# Altium PCB ToucanEyePCB.PcbDoc (part 3 of 5) (continued)
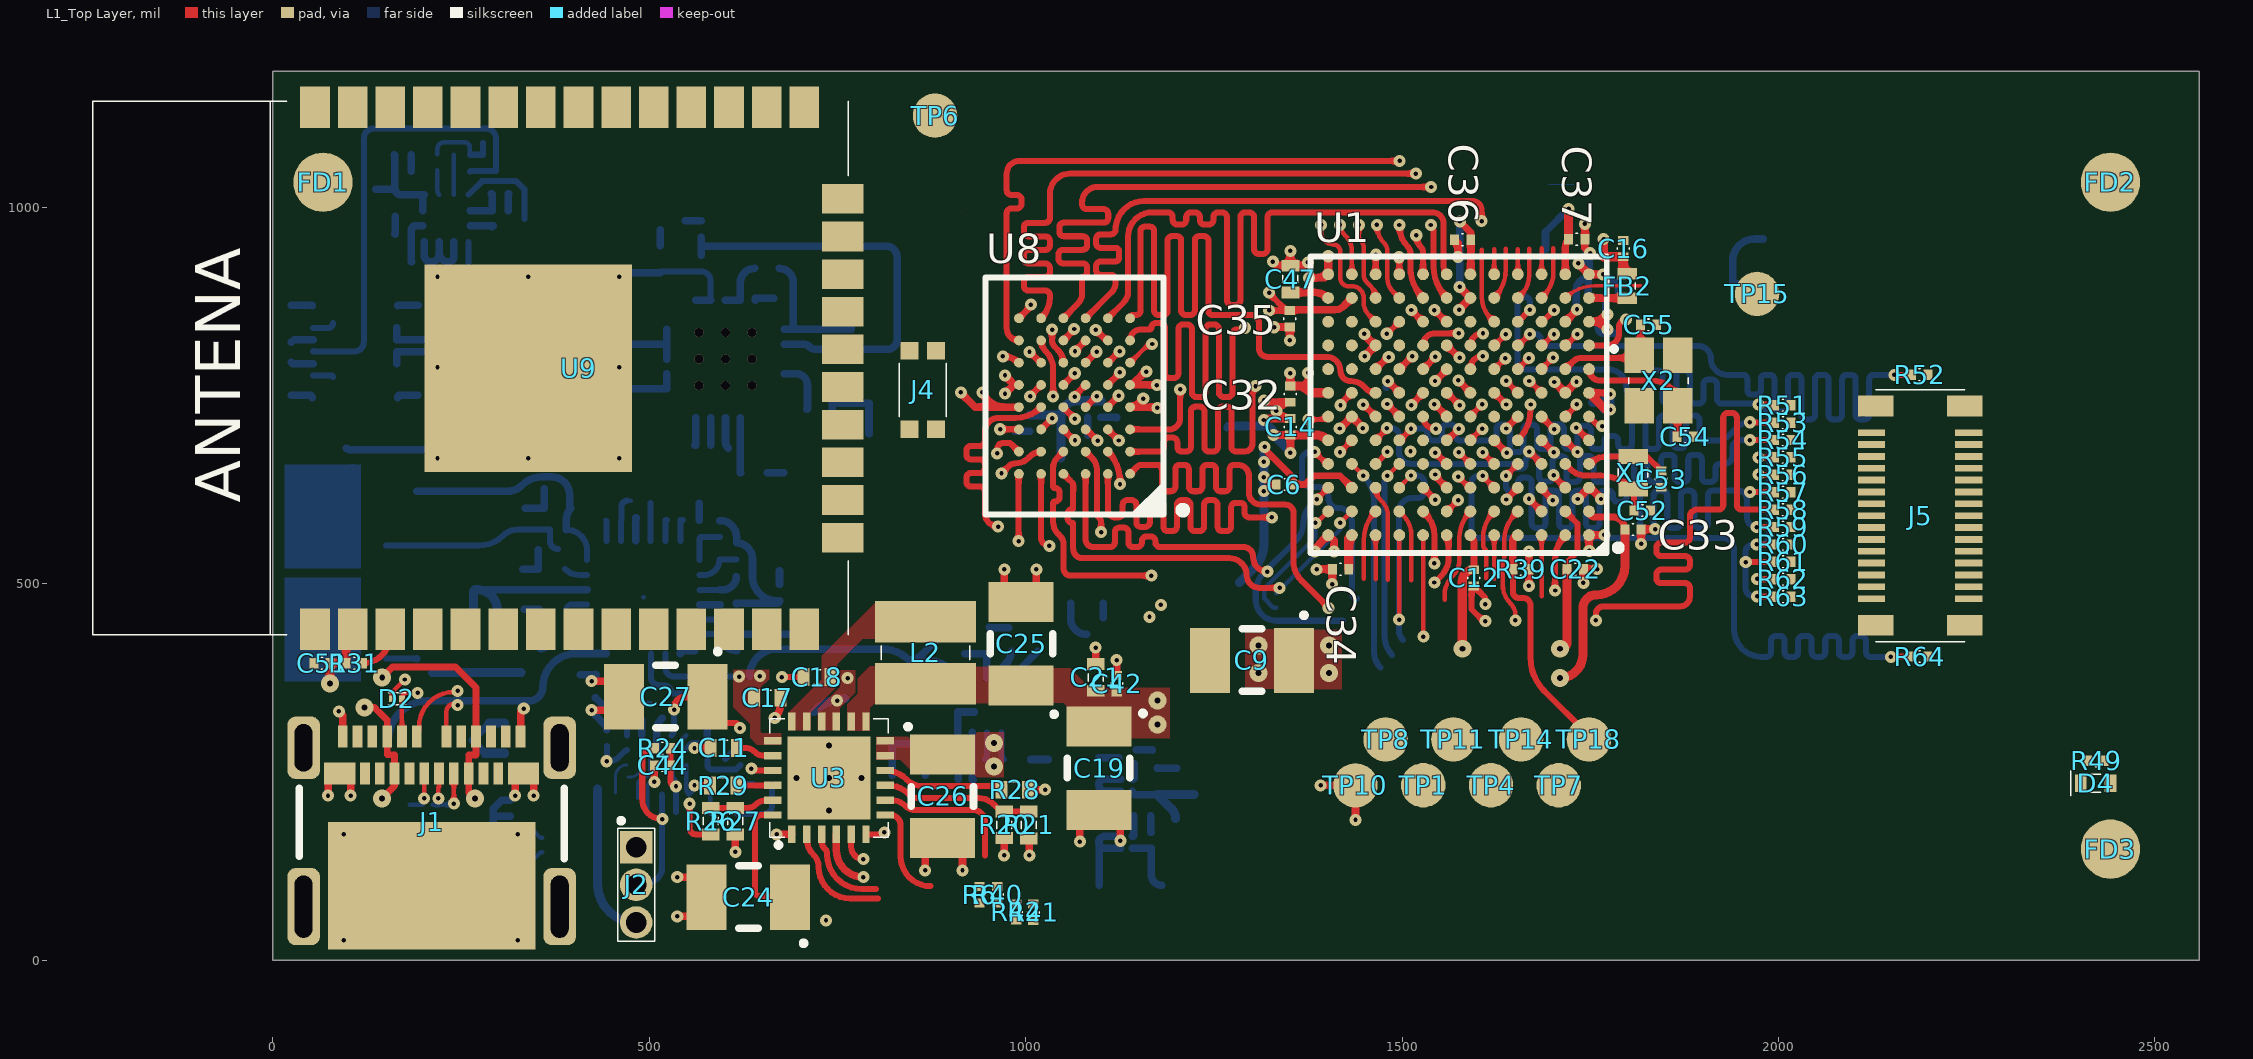
[diagram p0: L1_Top Layer view]
## Nets (pads, with @x,y where several pads share a name; then routed paths per layer and width w, separated by ;. In a path a pad name is that pad's centre, name@x,y a point inside that pad or via, vN(x,y) a via of type N, cw(c..) or ccw(c..) an arc to the next point about the centre after c; other vN are vias at no path point) (continued)
LDO_BATMAN: C24.1 R20.2 U3.24 | length 530.8
  L1_Top Layer w8: U3.24@664,192.97 649.27,192.97 ccw(c649.27,184.1) 640.4,184.1 640.4,91.6 ccw(c646.8,91.6) 646.8,85.2 685.81,85.2 C24.1@685.81,49.1
  L1_Top Layer w10: v4(971.5,139.4) R20.2@971.5,162.28
  L3_Signa1 w10: v4(734.9,52.9) 734.9,89.3 cw(c761.1,89.3) 761.1,115.5 947.6,115.5 ccw(c947.6,139.4) v4(971.5,139.4)
LED: D4.2 U1.H5 | length 20.8
  L1_Top Layer w6: U1.H5@1622.39,785.24 1622.69,785.24 1637,799.55 v3(1637.3,799.55)
LIS_INT: R44.2 R66.2 U1.D6 | length 713.7
  L1_Top Layer w6: v3(1575.4,674.75) 1575,674.35 cw(c1575,672.43) 1576.36,673.79 U1.D6@1590.89,659.25
  L4_PWR/Signal2 w8: v6(279.1,1085.9) 868.5,1085.9
  L6_Bottom Layer w6: R44.2@218.8,1070.83 218.8,1077.9 cw(c227.5,1077.9) 227.5,1086.6 254.6,1086.6 cw(c254.6,1079.3) 261.9,1079.3 261.9,1070 R66.2@262.33,1070
  L6_Bottom Layer w8: R66.2@262.33,1070 279.1,1070 v6(279.1,1085.9)
MANBAT_INT: R43.1 U1.F2 U5.A2 | length 75
  L1_Top Layer w6: U1.F2@1716.88,722.25 1731.8,737.17 1731.8,738.25 v3(1732,738.45)
  L6_Bottom Layer w8: R43.1@443.7,284.5 443.7,264.6 v3(443.5,264.4) 447.49,264.4 ccw(c447.49,280.11) 458.6,269 467.19,277.59 cw(c470.63,274.15) U5.A2@470.63,279.02
MIC_CKOUT: U1.E11 U10.3 | length 22.4
  L1_Top Layer w6: v3(1417.6,674.94) U1.E11@1433.41,690.75
MIC_DATIN: U1.J5 U10.4 | length 22.2
  L1_Top Layer w6: U1.J5@1622.39,816.73 1622.88,816.73 1638,831.85 v3(1638,831.55)
MIC_LR: R36.1 U1.H3 U10.2 | length 21.5
  L1_Top Layer w6: U1.H3@1685.38,785.24 v3(1700.6,800.45)
NetC1_2: C1.2 Q1.1 Q1.2 Q1.3 Q2.1 Q2.2 Q2.3 R5.2 U2.24 | length 326.7
  L6_Bottom Layer w8: R5.2@390.03,571.9 cw(c390.03,544.43) 417.5,544.43 U2.24@417.5,531.51
  L6_Bottom Layer w10: v9(191.2,623) 311.69,623 ccw(c311.69,650.31) 331,631 cw(c358,604) 358,642.18 370.32,642.18 cw(c370.32,618.1) 394.4,618.1 394.4,601.62 ccw(c395.82,601.62) C1.2@395.82,600.2 ccw(c409.79,586.22) 390.03,586.22 R5.2@390.03,571.9
  other v9: 191.2,431.8 191.2,473.2 191.2,581.3
NetC2_2: C2.2 U2.23 | length 31.5
  L6_Bottom Layer w8: C2.2@388.12,519.7 ccw(c407.12,538.71) 407.12,511.83 U2.23@417.5,511.83
NetC3_2: C3.2 U2.21 | length 31.8
  L6_Bottom Layer w6: C3.2@389.32,466.1 cw(c395.67,466.1) C3.2@395.67,472.46
  L6_Bottom Layer w8: C3.2@395.67,472.46 U2.21@417.5,472.46
NetC4_2: C4.2 C58.1 R38.2 U11.16 U11.17 | length 194.9
  L6_Bottom Layer w8: C4.2@514.9,913.38 cw(c516.29,913.38) 516.29,914.77 R38.2@569,914.77 cw(c569,902.07) 581.7,902.07 U11.17@581.7,876.46
  L6_Bottom Layer w10: C58.1@461.81,891.7 461.81,913.38 C4.2@514.9,913.38 ; U11.16@562.01,876.46 U11.17@581.7,876.46
NetC10_2: C10.2 U4.9 | length 36.8
  L6_Bottom Layer w8: U4.9@968.24,302.7 968.24,273.94 ccw(c978.47,273.94) C10.2@971.23,266.7
NetC11_1: C11.1 U3.20 | length 50
  L1_Top Layer w8: C11.1@616.82,282.1 627.26,282.1 cw(c627.26,263.66) 640.3,276.7 ccw(c652.33,288.73) 652.33,271.72 U3.20@664,271.71
NetC18_1: C18.1 U3.21 | length 191.7
  L1_Top Layer w8: v4(635.8,254.7) ccw(c642.25,261.15) 642.25,252.03 U3.21@664,252.03 ; v4(676.3,376.2) C18.1@705.08,376.2
  L3_Signa1 w8: v4(635.8,254.7) 635.8,294.28 cw(c735.8,294.28) 665.09,364.99 v4(676.3,376.2)
NetC18_2: C18.2 L2.1 U3.17 U3.18
NetC28_2: C28.2 R22.2 R23.2 U5.E3 | length 113.2
  L6_Bottom Layer w6: U5.E3@549.37,259.33 549.37,228.18 ccw(c560.8,228.18) R23.2@552.72,220.1 566.02,233.4 C28.2@581.38,233.4 R22.2@581.38,194.5
NetC44_2: C44.2 R24.2 U5.D3 | length 153.3
  L1_Top Layer w8: R24.2@528.53,281.8 C44.2@528.53,258.8 528.53,238.17 ccw(c535.6,238.17) v5(535.6,231.1)
  L4_PWR/Signal2 w8: v6(535.6,196.7) v5(535.6,231.1)
  L6_Bottom Layer w8: U5.D3@529.68,259.33 529.68,247.15 ccw(c538.95,247.15) 532.4,240.6 cw(c524.67,232.87) 535.6,232.87 v6(535.6,196.7)
NetC47_2: C47.2 U1.L12 | length 52.7
  L1_Top Layer w10: C47.2@1351.2,887.13 1384.03,887.13 cw(c1384.03,861.84) U1.L12@1401.92,879.73
NetC52_2: C52.2 U1.D2 X1.2 | length 129.1
  L1_Top Layer w8: U1.D2@1716.88,659.25 1717,659.25 1724,652.25 ccw(c1744.76,673.01) 1744.76,643.65 1764.14,643.65 cw(c1764.14,583.04) X1.2@1807,625.9 1808.4,624.5 C52.2@1808.4,597.4
NetC53_1: C53.1 U1.D1 X1.1 | length 106.4
  L1_Top Layer w8: U1.D1@1748.37,659.25 cw(c1772.39,635.23) 1772.39,669.2 X1.1@1807,669.2 1825.02,669.2 C53.1@1844.2,650.03
NetC54_1: C54.1 U1.H1 X2.3 | length 194.7
  L1_Top Layer w8: U1.H1@1748.37,785.24 ccw(c1763.56,785.24) 1763.56,770.05 1832.63,770.05 cw(c1832.63,736.48) X2.3@1866,740.09 ; C54.1@1865.47,695.35 1866,695.35 X2.3@1866,740.09 ; X2.3@1866,740.09 cw(c1832.63,736.48) X2.3@1866.19,736.48 1866.19,740.09 X2.3@1866,740.09
NetC55_2: C55.2 U1.H2 X2.1 | length 146.7
  L1_Top Layer w8: U1.H2@1716.88,785.24 1726.97,795.33 cw(c1738.6,783.7) 1738.6,800.15 1811.74,800.15 ccw(c1811.74,803.41) X2.1@1815.01,803.41 1816.77,805.18 C55.2@1816.77,843.95
NetC61_2: C61.2 U11.8 | length 42.1
  L6_Bottom Layer w10: U11.8@601.38,720.95 601.38,689.07 ccw(c614.35,689.07) C61.2@605.18,679.9
NetC62_2: C62.2 U11.7 | length 73.4
  L6_Bottom Layer w10: U11.7@621.07,720.95 621.07,647.81 C62.2@621.28,647.6
NetD4_1: D4.1 R49.1
NetFB2_2: FB2.2 U1.L1 | length 50.8
  L1_Top Layer w10: U1.L1@1748.37,879.73 FB2.2@1799.2,879.39
NetFB3_1: FB3.1 U11.13 U11.14 U11.15 | length 128.7
  L6_Bottom Layer w10: FB3.1@443.62,809.1 443.62,818.39 U11.14@523.63,818.39 ; U11.13@523.63,798.71 U11.14@523.63,818.39 ; U11.15@523.63,838.08 U11.14@523.63,818.39
NetFB4_1: FB4.1 U11.11 U11.12 | length 101
  L6_Bottom Layer w10: FB4.1@443.62,758 443.62,759.34 U11.11@523.63,759.34 U11.12@523.63,779.02
NetJ5_1: J5.1 R51.2
NetJ5_2: J5.2 R52.1
NetJ5_3: J5.3 R53.2
NetJ5_5: J5.5 R54.2
NetJ5_7: J5.7 R55.2
NetJ5_9: J5.9 R56.2
NetJ5_11: J5.11 R57.2
NetJ5_13: J5.13 R58.2
NetJ5_15: J5.15 R59.2
NetJ5_17: J5.17 R60.2
NetJ5_19: J5.19 R61.2
NetJ5_21: J5.21 R62.2
NetJ5_23: J5.23 R63.2
NetJ5_24: J5.24 R64.1
NetL1_1: L1.1 U4.2 | length 45.2
  L6_Bottom Layer w12: L1.1@719.2,330.66 cw(c759.86,290) L1.1@759.86,347.5
NetL3_2: L3.2 U11.18 U11.19 | length 73.1
  L6_Bottom Layer w10: U11.18@601.38,876.46 U11.19@621.07,876.46 621.07,900.03 cw(c640.04,900.03) L3.2@640.04,919
NetQ1_4: Q1.4 Q2.4 R5.1 R7.2 | length 664.9
  L4_PWR/Signal2 w6: v6(191.1,400.8) ccw(c193,400.8) v6@193,398.9 ; v6(354.8,414.3) ccw(c354.8,438.3) 378.8,438.3 v6(378.8,546.3)
  L4_PWR/Signal2 w8: v6@193,398.9 216.3,398.9 ccw(c216.3,426.1) 243.5,426.1 v6(243.5,551.3)
  L6_Bottom Layer w8: Q1.4@150.54,400.81 v6(191.1,400.8) ; Q2.4@150.54,551.01 273.97,551.01 ccw(c273.97,596.73) 306.3,564.4 cw(c324.41,546.29) 324.41,571.9 R5.1@368.37,571.9 368.37,556.73 ccw(c378.8,556.73) v6(378.8,546.3) ; v6(354.8,414.3) 354.8,412.9 ccw(c354.8,427.27) 369.17,427.27 R7.2@369.17,432.8
NetR1_1: R1.1 R2.2 U4.4 | length 65.5
  L6_Bottom Layer w10: R1.1@919.35,406.88 R2.2@951.75,406.88 ccw(c959.48,399.16) 948.55,399.16 U4.4@948.55,374.59
NetR3_1: R3.1 U4.5 | length 39.3
  L6_Bottom Layer w10: U4.5@968.24,374.59 968.24,381.15 cw(c986.55,381.15) 973.6,394.1 974.42,394.92 ccw(c958.95,410.4) R3.1@980.83,410.4
NetR4_2: R4.2 U4.10 | length 36.8
  L6_Bottom Layer w8: R4.2@945.67,266.7 ccw(c938.71,273.66) 948.55,273.66 U4.10@948.55,302.7
NetR7_1: R7.1 U2.19 | length 27
  L6_Bottom Layer w6: R7.1@390.83,432.8 390.83,433.09 U2.19@417.5,433.09
NetR16_2: R16.2 U2.1 | length 28.6
  L6_Bottom Layer w6: R16.2@441.57,584.8 cw(c441.57,583.29) R16.2@443.09,583.29
  L6_Bottom Layer w8: U2.1@443.09,557.1 R16.2@443.09,583.29
NetR17_2: R17.2 U2.5 | length 32.3
  L6_Bottom Layer w6: R17.2@521.83,583 cw(c523.63,583) R17.2@523.63,584.8
  L6_Bottom Layer w8: U2.5@521.83,557.1 521.83,583 521.83,584.8 R17.2@523.63,584.8
NetR20_1: R20.1 R21.2 U3.9 | length 201
  L1_Top Layer w8: U3.9@813.61,232.34 817.44,232.34 cw(c817.44,194.64) 844.1,221.3 ccw(c858.59,235.79) 858.59,215.3 937.9,215.3 cw(c937.9,187.3) 957.7,207.1 963.96,200.84 ccw(c971.5,208.38) R20.1@971.5,197.72 1004,197.72 R21.2@1004.3,197.42
NetR26_1: R26.1 R27.2 U3.23 | length 85
  L1_Top Layer w8: R26.1@581.7,202.42 R27.2@614.4,202.42 630.98,202.42 ccw(c630.98,217.72) 641.8,206.9 cw(c655.71,192.99) 655.71,212.66 U3.23@664,212.66
NetR28_2: R28.2 U3.10 | length 164.5
  L1_Top Layer w8: U3.10@813.61,252.03 cw(c813.61,212.28) 841.71,240.39 ccw(c863.41,262.09) 863.41,231.4 967.78,231.4 R28.2@967.78,226.6
NetR29_2: R29.2 U3.22 | length 48
  L1_Top Layer w8: R29.2@616.12,232.1 663.76,232.1 U3.22@664,232.34
NetR34_2: R34.2 U9.28
NetR35_2: R35.2 U9.27
NetR37_2: R37.2 R38.1 U11.2 | length 561.4
  L6_Bottom Layer w10: R38.1@569,936.43 569,948.4 ; R37.2@569.02,960.47 569,948.4 ; U11.2@679.14,818.39 705.28,818.39 cw(c705.28,808.18) 712.5,815.4 ccw(c721.19,824.09) 721.19,811.8 816.9,811.8 ccw(c816.9,824.1) 829.2,824.1 829.2,934.5 ccw(c815.3,934.5) 815.3,948.4 569,948.4
NetR44_1: R44.1 U13.11 | length 32.6
  L6_Bottom Layer w6: R44.1@218.8,1049.17 218.8,1022.08 ccw(c225.78,1022.08) U13.11@220.84,1017.15
NetR65_1: R65.1 R66.1 U13.12 | length 53
  L6_Bottom Layer w6: U13.12@240.53,1017.15 240.53,1047.45 R65.1@240.67,1047.45 R66.1@240.67,1070
NRST: C48.2 R30.1 TP15.1 U1.J1 | length 97.8
  L1_Top Layer w8: U1.J1@1748.37,816.73 1772.13,816.73 ccw(c1772.13,832.9) 1788.3,832.9 1788.3,841.6 cw(c1797.8,841.6) v3@1797.8,851.1
  L1_Top Layer w9.5: U1.J1@1748.37,816.73 U1.J1@1748.76,816.35
  L6_Bottom Layer w8: 1769.33,858.2 R30.1@1769.33,882.7
  other v3: 1797.8,851.3
PSRAM_A0: U1.E3 U8.A3 | length 982
  L1_Top Layer w8: U8.A3@1079.73,646.12 1079.73,559.05 ccw(c1089.93,559.05) 1089.93,548.85 1109.5,548.85 1112.2,548.85 ccw(c1112.2,555.15) 1118.5,555.15 1118.5,568.38 cw(c1124.8,568.38) 1124.8,574.68 1130.2,574.68 cw(c1130.2,568.38) 1136.5,568.38 1136.5,555.15 ccw(c1142.8,555.15) 1142.8,548.85 1148.2,548.85 ccw(c1148.2,555.15) 1154.5,555.15 1154.5,556.78 cw(c1160.8,556.78) 1160.8,563.08 1166.2,563.08 cw(c1166.2,556.78) 1172.5,556.78 1172.5,555.15 ccw(c1178.8,555.15) 1178.8,548.85 1260.1,548.85 1289.3,548.85 cw(c1289.3,535.85) 1302.3,535.85 1302.3,535.15 ccw(c1321.2,535.15) v4(1321.2,516.25) ; U1.E3@1686,690.75 U1.E3@1685.38,690.75 v16(1701.6,674.55)
  L3_Signa1 w6: v4(1321.2,516.25) 1341.04,516.25 cw(c1341.04,500.89) 1351.9,511.75 ccw(c1371.21,531.06) 1371.21,503.75 1655.72,503.75 ccw(c1655.72,562.13) 1697,520.85 1700.71,524.56 ccw(c1664.52,560.75) 1715.7,560.75 1715.7,640.51 ccw(c1667.56,640.51) v16(1701.6,674.55)
PSRAM_A1: U1.E2 U8.A4 | length 981.9
  L1_Top Layer w8: U8.A4@1050.2,646.12 1061.69,634.63 ; 1061.7,634.62 cw(c1057.81,630.75) 1063.3,630.75 1063.3,624.05 1063.2,623.95 1063.2,612.05 1063.2,600.35 cw(c1062,600.35) 1062,599.15 ccw(c1062,592.85) 1055.7,592.85 1055.7,587.45 ccw(c1062,587.45) 1062,581.15 cw(c1062,579.95) 1063.2,579.95 1063.2,572.15 1063.2,546.75 ccw(c1075.9,546.75) 1075.9,534.05 1270.9,534.05 cw(c1270.9,511.25) 1293.7,511.25 ccw(c1310.2,511.25) 1310.2,494.75 v4(1337.5,494.75) ; U1.E2@1716.88,690.75 1732.04,675.59 ccw(c1733.1,676.66) v4(1733.1,675.15) v4@1733.1,675.37
  L3_Signa1 w6: v4(1337.5,494.75) 1655.76,494.75 ccw(c1655.76,566.79) 1706.7,515.85 1711.55,520.7 ccw(c1678.61,553.65) 1725.2,553.65 1725.2,656.08 cw(c1752.17,656.08) v4(1733.1,675.15)
PSRAM_A2: U1.E1 U8.A5 | length 973.6
  L1_Top Layer w6: U8.A5@1020.5,645.95 U8.A5@1020.67,646.12
  L1_Top Layer w8: U8.A5@1020.5,645.95 1020.5,561.65 ccw(c1031.6,561.65) v5(1031.6,550.55) ; v5(1731.3,707.25) 1747.4,691.15 ccw(c1748.37,692.13) U1.E1@1748.37,690.75
  L4_PWR/Signal2 w6: v5(1031.6,550.55) 1040.9,550.55 1043.3,550.55 ccw(c1043.3,556.15) 1048.9,556.15 1048.9,557.86 cw(c1054.5,557.86) 1054.5,563.46 1059.3,563.46 cw(c1059.3,557.86) 1064.9,557.86 1064.9,556.15 ccw(c1070.5,556.15) 1070.5,550.55 1084.3,550.55 1099.82,550.55 cw(c1099.82,511.97) 1127.1,539.25 1130.31,536.04 ccw(c1201.02,606.75) 1201.02,506.75 1538.78,506.75 ccw(c1538.78,606.75) 1609.49,536.04 1681.23,607.77 ccw(c1675.25,613.75) 1683.7,613.75 cw(c1697.1,613.75) 1697.1,627.15 1698.6,627.15 ccw(c1698.6,644.55) 1716,644.55 1716,691.95 cw(c1731.3,691.95) v5(1731.3,707.25)
  L4_PWR/Signal2 w8: v5@1727,707.25 v5(1731.3,707.25)
PSRAM_A3: U1.E5 U8.B3 | length 981.6
  L1_Top Layer w8: U8.B3@1079.73,675.65 1088.85,666.52 cw(c1074.98,652.65) 1094.6,652.65 1094.6,595.25 ccw(c1105.71,595.25) 1097.85,587.4 cw(c1091.94,581.49) 1100.3,581.49 v4(1100.3,568.75) ; U1.E5@1622.39,690.75 1622.6,690.75 v4(1639.3,674.05)
  L3_Signa1 w6: v4(1100.3,568.75) 1100.3,563.65 ccw(c1108.6,563.65) 1108.6,555.35 1116.6,555.35 1127,555.35 cw(c1127,549.75) 1132.6,549.75 1132.6,499.6 ccw(c1138.2,499.6) 1138.2,494 1143,494 ccw(c1143,499.6) 1148.6,499.6 1148.6,549.75 cw(c1154.2,549.75) 1154.2,555.35 1159,555.35 cw(c1159,549.75) 1164.6,549.75 1164.6,530.81 ccw(c1170.2,530.81) 1170.2,525.21 1175,525.21 ccw(c1175,530.81) 1180.6,530.81 1180.6,549.75 cw(c1186.2,549.75) 1186.2,555.35 1191,555.35 cw(c1191,549.75) 1196.6,549.75 1196.6,541.7 ccw(c1202.2,541.7) 1202.2,536.1 1207,536.1 ccw(c1207,541.7) 1212.6,541.7 1212.6,549.75 cw(c1218.2,549.75) 1218.2,555.35 1219.6,555.35 1563.75,555.35 ccw(c1563.75,655.35) 1634.46,584.64 1644.08,594.27 ccw(c1621.84,616.51) 1653.3,616.51 1653.3,640.25 ccw(c1605.5,640.25) v4(1639.3,674.05)
PSRAM_A4: U1.F3 U8.B4 | length 982.1
  L1_Top Layer w8: U8.B4@1050.2,675.65 1042.02,667.46 ccw(c1055.33,654.15) 1036.5,654.15 1036.5,652.95 1036.5,629.78 ccw(c1038.9,629.78) 1038.9,627.38 cw(c1038.9,621.08) 1045.2,621.08 1045.2,615.68 cw(c1038.9,615.68) 1038.9,609.38 ccw(c1038.9,606.98) 1036.5,606.98 1036.5,591.38 1036.5,582.38 ccw(c1059.03,582.38) 1043.09,566.46 1045.94,563.61 cw(c1035.42,553.09) 1050.3,553.09 1050.3,520.75 ccw(c1060.2,520.75) 1060.2,510.85 v4(1167.15,510.85) ; U1.F3@1685.38,722.25 1702.09,705.55 v4(1702.4,705.55)
  L3_Signa1 w6: v4(1167.15,510.85) ccw(c1170.77,514.47) 1170.77,509.35 1186,509.35 ccw(c1186,533.25) 1202.9,516.35 1219.45,532.9 cw(c1244.92,507.43) 1244.92,543.45 1583.98,543.45 ccw(c1583.98,643.45) 1654.69,572.74 1679.78,597.83 ccw(c1666.47,611.15) 1685.3,611.15 1685.3,676.75 cw(c1697.1,676.75) 1697.1,688.55 ccw(c1697.1,693.85) 1702.4,693.85 v4(1702.4,705.55)
PSRAM_A5: U1.F4 U8.C3 | length 969.3
  L1_Top Layer w8: U8.C3@1079.73,705.18 cw(c1079.73,702.65) 1081.51,704.44 v5(1095.7,690.25) ; v5(1638.3,706.35) U1.F4@1653.88,722.25
  L4_PWR/Signal2 w6: v5(1095.7,690.25) ccw(c1112.9,690.25) 1112.9,673.05 1153.7,673.05 cw(c1153.7,661.75) 1165,661.75 1165,659.35 ccw(c1170.6,659.35) 1170.6,653.75 1173.33,653.75 cw(c1173.33,648.15) 1178.93,648.15 1178.93,643.35 cw(c1173.33,643.35) 1173.33,637.75 1170.6,637.75 ccw(c1170.6,632.15) 1165,632.15 1165,627.35 ccw(c1170.6,627.35) 1170.6,621.75 1187.28,621.75 cw(c1187.28,616.15) 1192.88,616.15 1192.88,611.35 cw(c1187.28,611.35) 1187.28,605.75 1170.6,605.75 ccw(c1170.6,600.15) 1165,600.15 1165,595.25 ccw(c1174.9,595.25) 1174.9,585.35 1180.6,585.35 1188.6,585.35 cw(c1194.17,585.35) 1194.17,590.92 1199.03,590.92 cw(c1199.03,585.35) 1204.6,585.35 1204.6,575.81 ccw(c1210.2,575.81) 1210.2,570.21 1215,570.21 ccw(c1215,575.81) 1220.6,575.81 1220.6,579.75 cw(c1226.2,579.75) 1226.2,585.35 1231,585.35 cw(c1231,579.75) 1236.6,579.75 1236.6,575.81 ccw(c1242.2,575.81) 1242.2,570.21 1247,570.21 ccw(c1247,575.81) 1252.6,575.81 1252.6,579.75 cw(c1258.2,579.75) 1258.2,585.35 1263,585.35 cw(c1263,579.75) 1268.6,579.75 1268.6,575.81 ccw(c1274.2,575.81) 1274.2,570.21 1279,570.21 ccw(c1279,575.81) 1284.6,575.81 1284.6,579.75 cw(c1290.2,579.75) 1290.2,585.35 1295,585.35 cw(c1295,579.75) 1300.6,579.75 1300.6,575.81 ccw(c1306.2,575.81) 1306.2,570.21 1311,570.21 ccw(c1311,575.81) 1316.6,575.81 1316.6,579.75 cw(c1322.2,579.75) 1322.2,585.35 1358.3,585.35 1360.4,585.35 cw(c1360.4,575.65) 1370.1,575.65 1370.1,573.45 ccw(c1377.6,573.45) 1377.6,565.95 1423.8,565.95 ccw(c1423.8,574.45) 1432.3,574.45 cw(c1444.5,574.45) 1444.5,586.65 1607.7,586.65 ccw(c1607.7,612.35) 1633.4,612.35 cw(c1646.2,612.35) 1637.15,621.4 1647.7,631.95 ccw(c1637.08,642.57) 1652.1,642.57 1652.1,644.25 ccw(c1633.51,644.25) 1646.66,657.39 1644.3,659.75 cw(c1658.79,674.23) 1638.3,674.23 v5(1638.3,706.35)
PSRAM_A6: U1.G5 U8.C4 | length 971
  L1_Top Layer w8: U8.C4@1050.2,704.65 U8.C4@1050.2,705.18 1064.63,690.75 v5(1065.6,690.75) ; U1.G5@1622.39,753.74 1638.6,737.53 v5(1638.6,738.25)
  L4_PWR/Signal2 w6: v5(1065.6,690.75) ccw(c1092.5,690.75) 1092.5,663.85 1141.2,663.85 cw(c1141.2,651.15) 1153.9,651.15 1153.9,648.85 1153.9,644.95 1153.9,634.55 cw(c1148.3,634.55) 1148.3,628.95 1137.02,628.95 ccw(c1137.02,623.35) 1131.42,623.35 1131.42,618.55 ccw(c1137.02,618.55) 1137.02,612.95 1148.3,612.95 cw(c1148.3,607.35) 1153.9,607.35 1153.9,602.55 cw(c1148.3,602.55) 1148.3,596.95 1137.02,596.95 ccw(c1137.02,591.35) 1131.42,591.35 1131.42,586.55 ccw(c1137.02,586.55) 1137.02,580.95 1148.3,580.95 cw(c1148.3,575.35) 1153.9,575.35 1153.9,572.95 1153.9,567.95 ccw(c1165,567.95) 1165,556.85 1419.12,556.85 1419.76,556.21 1428.87,556.21 1429.51,556.85 1560.88,556.85 ccw(c1560.88,656.85) 1631.59,586.14 1639,593.55 ccw(c1584.91,647.63) 1661.4,647.63 ccw(c1642.77,647.63) 1655.94,660.81 cw(c1664.74,669.6) 1652.3,669.6 1652.3,714.41 ccw(c1628.06,714.41) 1645.2,731.55 1638.6,738.15 v5(1638.6,738.25)
PSRAM_A7: U1.J6 U8.D4 | length 971.6
  L1_Top Layer w8: U8.D4@1050.2,734.35 U8.D4@1050.2,734.7 1065.4,719.5 v5(1065.4,719.15) ; U1.J6@1591.48,816.73 U1.J6@1590.89,816.73 cw(c1607.01,816.73) 1607.01,832.85 v5(1607.6,832.85)
  L4_PWR/Signal2 w6: v5(1065.4,719.15) 1191.3,719.15 cw(c1191.3,710.05) 1200.4,710.05 1200.4,690.05 ccw(c1215.3,690.05) 1215.3,675.15 cw(c1215.3,665.05) 1225.4,665.05 1225.4,639.55 ccw(c1231.3,639.55) 1231.3,633.65 1239,633.65 1241.2,633.65 cw(c1241.2,628.05) 1246.8,628.05 1246.8,624.95 ccw(c1252.4,624.95) 1252.4,619.35 1257.2,619.35 ccw(c1257.2,624.95) 1262.8,624.95 1262.8,633.65 cw(c1265.83,633.65) 1265.83,636.68 1275.77,636.68 cw(c1275.77,633.65) 1278.8,633.65 1278.8,624.95 ccw(c1284.4,624.95) 1284.4,619.35 1289.2,619.35 ccw(c1289.2,624.95) 1294.8,624.95 1294.8,628.05 cw(c1300.4,628.05) 1300.4,633.65 1305.2,633.65 cw(c1305.2,628.05) 1310.8,628.05 1310.8,624.95 ccw(c1316.4,624.95) 1316.4,619.35 1321.2,619.35 ccw(c1321.2,624.95) 1326.8,624.95 1326.8,628.05 cw(c1332.4,628.05) 1332.4,633.65 1337.2,633.65 cw(c1337.2,628.05) 1342.8,628.05 1342.8,624.95 ccw(c1348.4,624.95) 1348.4,619.35 1353.2,619.35 ccw(c1353.2,624.95) 1358.8,624.95 1358.8,628.05 cw(c1364.4,628.05) 1364.4,633.65 1366.8,633.65 1368.9,633.65 ccw(c1368.9,638.85) 1374.1,638.85 1374.1,645.25 cw(c1388.8,645.25) 1388.8,659.95 1409.2,659.95 1417.2,659.95 1433.2,659.95 1443.6,659.95 ccw(c1443.6,665.55) 1449.2,665.55 1449.2,675.59 cw(c1454.8,675.59) 1454.8,681.19 1459.6,681.19 cw(c1459.6,675.59) 1465.2,675.59 1465.2,665.55 ccw(c1470.8,665.55) 1470.8,659.95 1481.2,659.95 1497.2,659.95 1504.8,659.95 1548.6,659.95 ccw(c1548.6,670.75) 1559.4,670.75 1559.4,677.55 cw(c1565.92,677.55) 1561.31,682.16 1567.59,688.44 cw(c1575.1,680.93) 1575.1,691.55 ccw(c1575.1,708.15) 1591.7,708.15 1591.7,756.55 ccw(c1586.5,756.55) 1586.5,761.75 1577.41,761.75 cw(c1577.41,767.35) 1571.81,767.35 1571.81,772.15 cw(c1577.41,772.15) 1577.41,777.75 1586.1,777.75 ccw(c1586.1,783.35) 1591.7,783.35 1591.7,793.75 1591.7,801.75 1591.7,810.35 cw(c1598,810.35) 1598,816.65 ccw(c1598,826.25) 1607.6,826.25 v5(1607.6,832.85) v5@1607.6,833.05
PSRAM_A8: U1.M7 U8.H2 | length 1011.9
  L1_Top Layer w8: U8.H2@1109.1,852.82 cw(c1109.26,879.47) 1108.7,852.82 U8.H2@1109.1,852.81 ; U8.H2@1109.1,852.82 ccw(c1109.26,879.47) U8.H2@1109.26,852.81 1130.17,873.73 ccw(c1115.85,888.05) 1136.1,888.05 1136.1,961.45 cw(c1168.1,961.45) 1168.1,993.45 1168.4,993.45 1177.4,993.45 1189.1,993.45 cw(c1189.1,987.15) 1195.4,987.15 1195.4,983.51 ccw(c1201.7,983.51) 1201.7,977.21 1207.1,977.21 ccw(c1207.1,983.51) 1213.4,983.51 1213.4,987.15 cw(c1219.7,987.15) 1219.7,993.45 1225.1,993.45 cw(c1225.1,987.15) 1231.4,987.15 1231.4,983.51 ccw(c1237.7,983.51) 1237.7,977.21 1243.1,977.21 ccw(c1243.1,983.51) 1249.4,983.51 1249.4,987.15 cw(c1255.7,987.15) 1255.7,993.45 1261.1,993.45 cw(c1261.1,987.15) 1267.4,987.15 1267.4,876.84 ccw(c1273.7,876.84) 1273.7,870.54 1279.1,870.54 ccw(c1279.1,876.84) 1285.4,876.84 1285.4,987.15 cw(c1291.7,987.15) 1291.7,993.45 1297.1,993.45 cw(c1297.1,987.15) 1303.4,987.15 1303.4,944.7 ccw(c1309.7,944.7) 1309.7,938.4 1315.1,938.4 ccw(c1315.1,944.7) 1321.4,944.7 1321.4,987.15 cw(c1327.7,987.15) 1327.7,993.45 1339.4,993.45 1357.4,993.45 1363.2,993.45 1540.1,993.45 cw(c1540.1,978.15) 1555.4,978.15 1555.4,920.87 ccw(c1569.04,920.87) U1.M7@1559.3,911.32 ; U1.M7@1559.3,911.32 ccw(c1569.04,920.87) U1.M7@1559.4,911.22 U1.M7@1559.3,911.32
PSRAM_A9: U1.H6 U8.H3 | length 986.9
  L1_Top Layer w8: U8.H3@1079.73,852.81 1113.94,887.03 ccw(c1100.52,900.45) 1119.5,900.45 1119.5,901.35 1119.5,904.05 ccw(c1113.2,904.05) 1113.2,910.35 1100.05,910.35 cw(c1100.05,916.65) 1093.75,916.65 1093.75,922.05 cw(c1100.05,922.05) 1100.05,928.35 1119.5,928.35 ccw(c1119.5,932.95) 1124.1,932.95 1124.1,941.75 ccw(c1119.5,941.75) 1119.5,946.35 1100.05,946.35 cw(c1100.05,952.65) 1093.75,952.65 1093.75,958.05 cw(c1100.05,958.05) 1100.05,964.35 1113.2,964.35 ccw(c1113.2,970.65) 1119.5,970.65 ; 1119.5,974.45 1119.5,970.65 ; U1.H6@1590.89,785.24 1590.89,786.14 cw(c1607.3,786.14) v4(1607.3,802.55) ; v4(1605.8,981.95) 1605.8,996.15 ccw(c1593.4,996.15) 1593.4,1008.55 1157.4,1008.55 ccw(c1157.4,970.65) 1119.5,970.65
  L3_Signa1 w6: v4(1605.8,981.95) 1605.7,981.95 1605.7,853.75 ccw(c1612.8,853.75) 1612.8,846.65 cw(c1612.8,837.45) 1622,837.45 1622,807.45 cw(c1616.9,807.45) 1616.9,802.35 1607.3,802.35 v4(1607.3,802.55)
PSRAM_A10: U1.L7 U8.H4 | length 988
  L1_Top Layer w8: U8.H4@1050.57,852.81 U8.H4@1050.2,852.81 1069.25,871.86 ccw(c1055.36,885.75) 1075,885.75 1075,902.05 1075,906.3 cw(c1076.45,906.3) 1076.45,907.75 ; 1075.53,907.75 ccw(c1075.53,914.05) 1081.83,914.05 1081.83,919.45 ccw(c1075.53,919.45) 1075.53,925.75 1075,925.75 1049.98,925.75 cw(c1049.98,932.05) 1043.68,932.05 1043.68,937.45 cw(c1049.98,937.45) 1049.98,943.75 1075,943.75 1075.53,943.75 ccw(c1075.53,950.05) 1081.83,950.05 1081.83,955.45 ccw(c1075.53,955.45) 1075.53,961.75 1075,961.75 1051.03,961.75 cw(c1051.03,968.05) 1044.73,968.05 1044.73,973.45 cw(c1051.03,973.45) 1051.03,979.75 1075,979.75 1103.47,979.75 ccw(c1103.47,986.05) 1109.77,986.05 1109.77,991.45 ccw(c1103.47,991.45) 1103.47,997.75 1081.3,997.75 cw(c1081.3,1004.05) 1075,1004.05 1075,1006.75 cw(c1095.4,1006.75) 1095.4,1027.15 v4(1538.8,1027.15) ; 1075.6,907.75 1076.38,907.75 ; v4(1538.3,976.65) cw(c1529.13,967.48) 1542.1,967.48 1542.1,921.48 ccw(c1601.15,921.48) U1.L7@1559.4,879.73 cw(c1559.4,885.21) U1.L7@1555.52,881.33
  L3_Signa1 w6: v4(1538.3,976.65) ccw(c1537.09,977.86) 1538.8,977.86 v4(1538.8,1027.15)
PSRAM_A11: U1.M8 U8.H5 | length 981.6
  L1_Top Layer w8: U8.H5@1020.67,852.81 ccw(c992.84,880.64) 1032.2,880.64 1032.2,883.34 ccw(c1025.9,883.34) 1025.9,889.64 1003.93,889.64 cw(c1003.93,895.94) 997.63,895.94 997.63,901.34 cw(c1003.93,901.34) 1003.93,907.64 1025.9,907.64 ccw(c1025.9,913.94) 1032.2,913.94 1032.2,919.34 ccw(c1025.9,919.34) 1025.9,925.64 1003.93,925.64 cw(c1003.93,931.94) 997.63,931.94 997.63,937.34 cw(c1003.93,937.34) 1003.93,943.64 1025.9,943.64 ccw(c1025.9,949.94) 1032.2,949.94 1032.2,955.34 ccw(c1025.9,955.34) 1025.9,961.64 1003.93,961.64 cw(c1003.93,967.94) 997.63,967.94 997.63,973.34 cw(c1003.93,973.34) 1003.93,979.64 1025.9,979.64 ccw(c1025.9,985.94) 1032.2,985.94 1032.2,1006.05 1032.2,1018.05 cw(c1059.2,1018.05) 1059.2,1045.05 v4(1518.3,1045.05) ; v4(1518.9,963.05) 1518.9,962.46 ccw(c1540.41,962.46) 1525.2,947.25 cw(c1518.68,940.73) 1527.9,940.73 U1.M8@1527.9,911.22
  L3_Signa1 w6: v4(1518.3,1045.05) 1518.9,1045.05 v4(1518.9,963.05)